# Altium PCB TIVA_1.PcbDoc
Units mm, origin at the board's own origin, x right, y up, seen from the top; angles counter-clockwise.
Board outline 37 x 30 mm, 2 copper layers (Top Layer, Bottom Layer); 24 components, 19 nets, 111 pads, 55 vias.
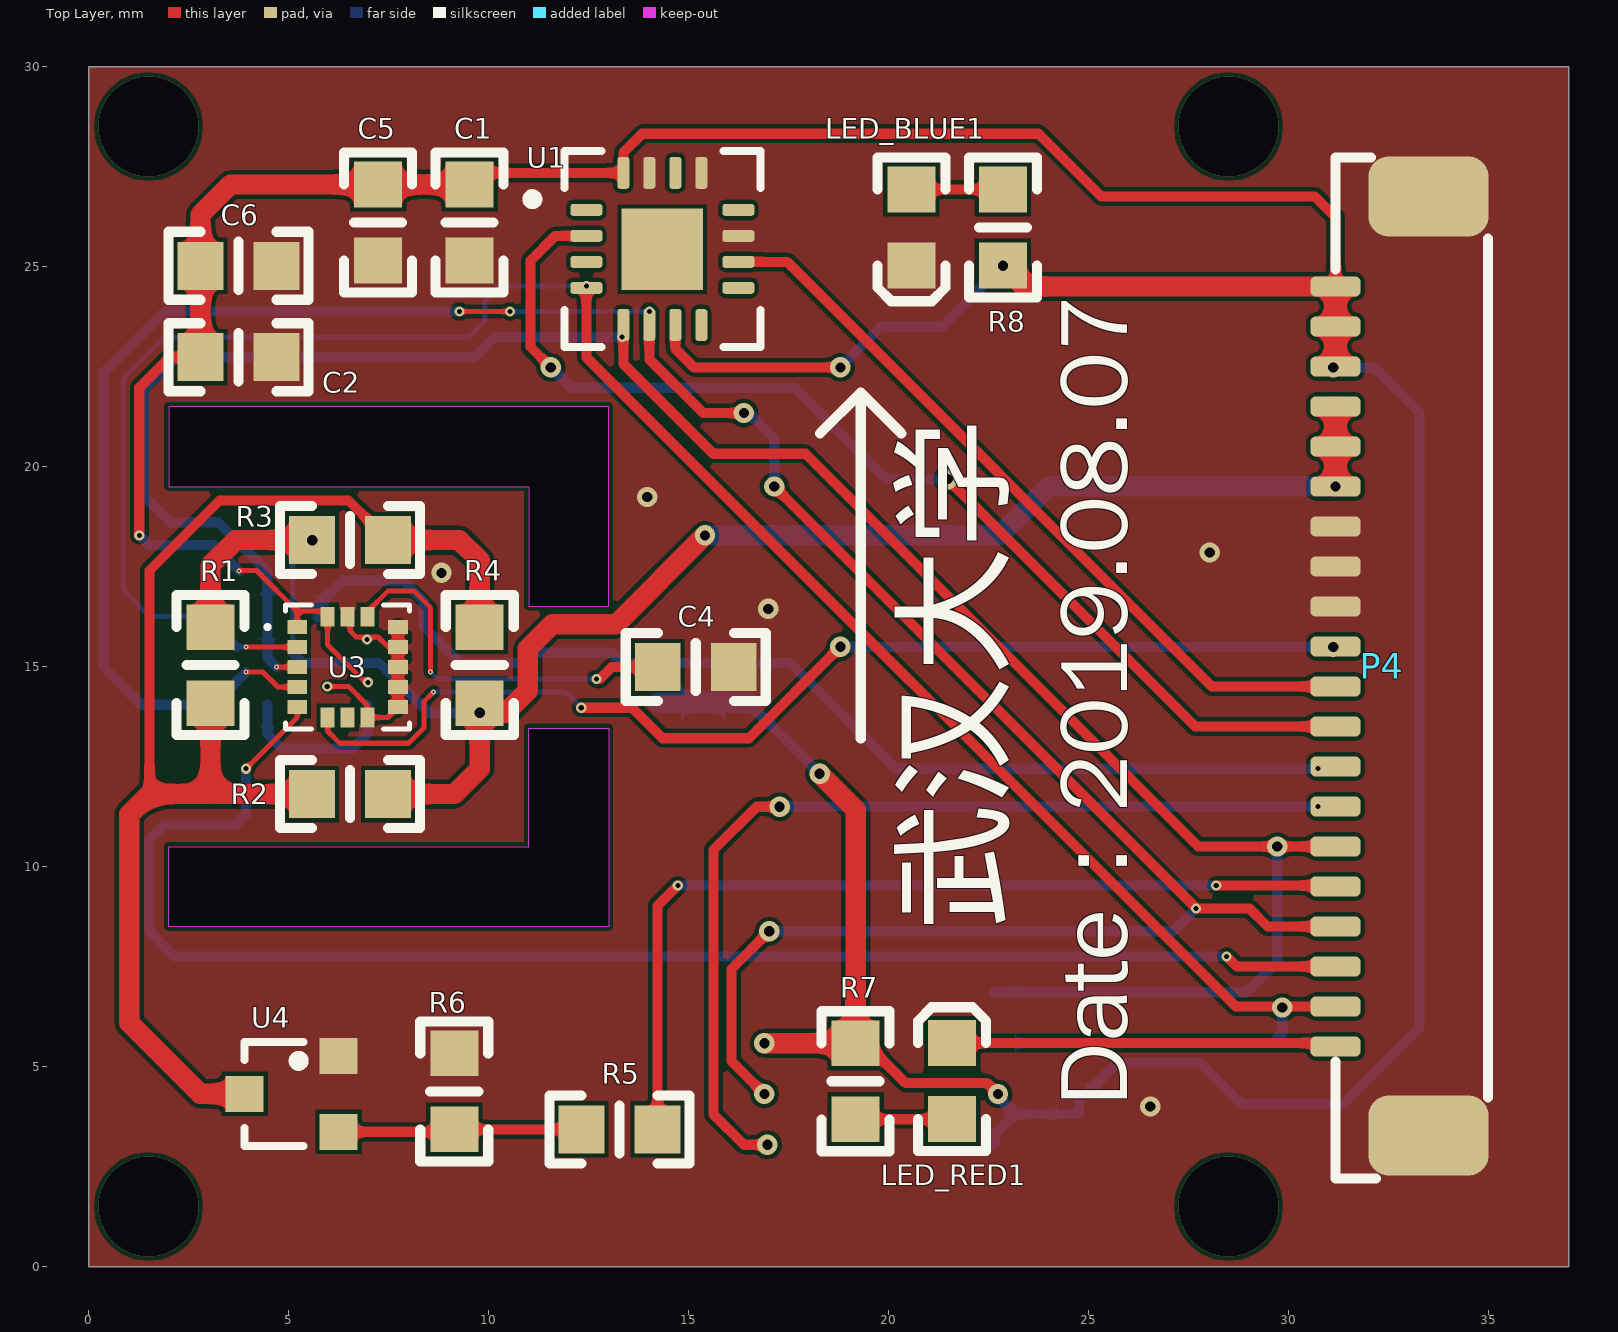
[diagram p0: Top Layer view]
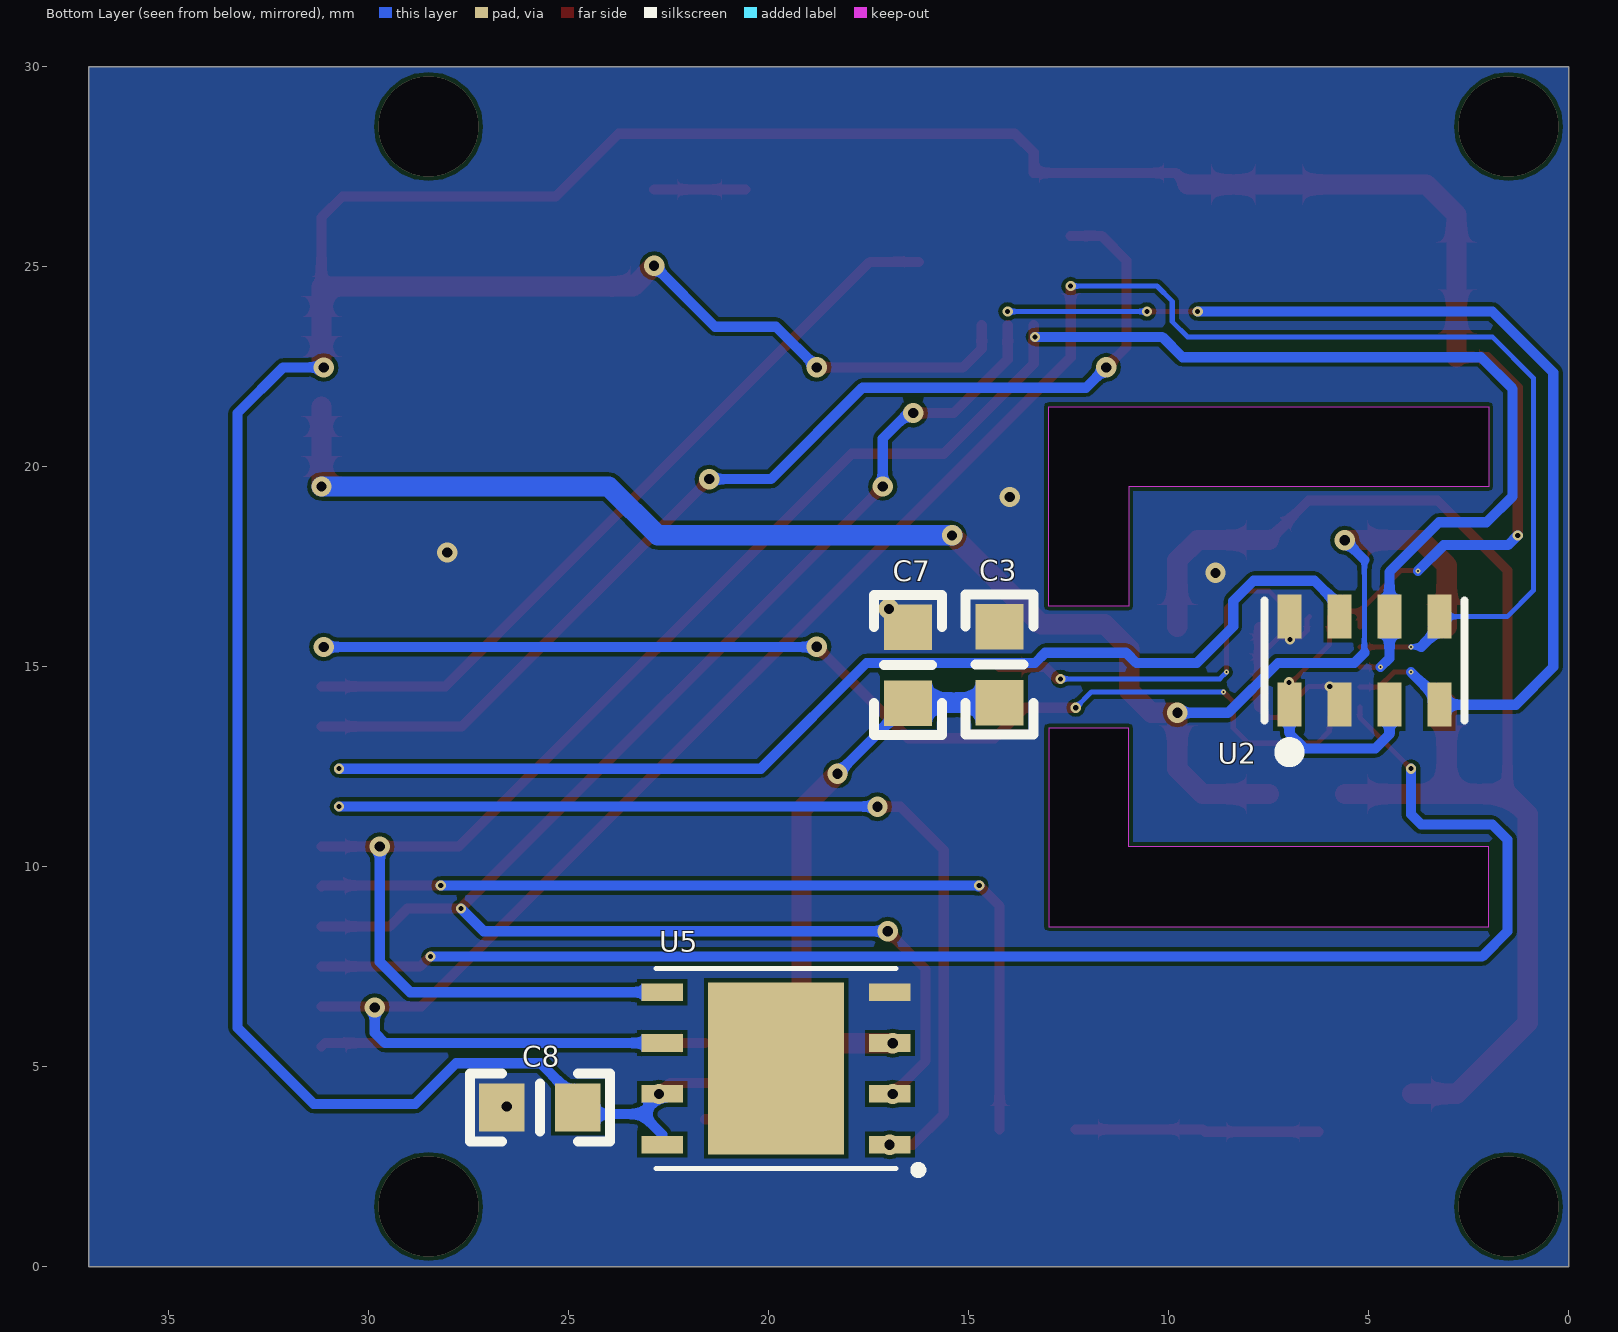
[diagram p1: Bottom Layer view, seen from below]

## Layer stack, top to bottom
Top Solder: solder mask 0.0102, Solder Resist, Dk 3.5
Top Layer: signal copper 0.0356
Dielectric 1: dielectric 0.32, FR-4, Dk 4.8
Bottom Layer: signal copper 0.0356
Bottom Solder: solder mask 0.0102, Solder Resist, Dk 3.5

## Board outline
0,0 37,0 37,30 0,30
cut-out: 2,21.5 2,19.5 11,19.5 11,16.51 13,16.51 13,21.5
cut-out: 11,13.462 13,13.462 13,8.5 2,8.5 2,10.5 11,10.5

## Design rules (kind name [scope] priority, off if disabled: settings)
Clearance [All] p1: gap=0.1 ignorepadtopadclearanceinfootprint=FALSE except(0: Arc-Hole Track-Hole SMDPad-Hole THPad-Hole Via-Hole Fill-Hole Poly-Hole Region-Hole Text-Hole)
HoleToHoleClearance [All] p1: gap=0.051 allowstackedmicrovias=TRUE
MinimumSolderMaskSliver [All] p1: minsoldermaskwidth=0.025
PlaneClearance [All] p1: clearance=0.1
PlaneConnect [All] p1: planeconnectstyle=Direct reliefexpansion=0.508 reliefentries=4 reliefconductorwidth=0.254 reliefairgap=0.254
PolygonConnect [All] p1: connectstyle=Direct reliefconductorwidth=0.254 reliefentries=4 polygonreliefangle="90 Angle" airgapwidth=0.254
RoutingVias [All] p1: holewidth=0.254 width=0.508 viastyle="Through Hole" minholewidth=0.025 minwidth=0.051 maxholewidth=0.711 maxwidth=1.27
SilkToSilkClearance [All] p1: silktosilkclearance=0
SilkToSolderMaskClearance [IsPad] p1: minsilkscreentomaskgap=0 clearancetoexposedcopper=TRUE
SolderMaskExpansion [All] p1: expansion=0.051
Width [All] p1: maxlimit=0.762 minlimit=0.127 preferedwidth=0.254 minimp=50.000000 maximp=50.000000 favimp=50.000000
24 further rules are at their usual default settings.

## Components (designator, comment, footprint, x,y, rotation, side; value= is the part's Value field where it differs from the comment)
C1 "0.1u" C_0805 9.525,27.051 r270 top
C2 "0.1u" C_0805 2.799,22.733 r0 top
C3 "0.1u" C_0805 14.224,15.997 r270 bottom
C4 "0.1u" C_0805 14.229,14.986 r0 top
C5 "10u" C_0805 7.239,27.051 r270 top
C6 "10u" C_0805 2.799,25.019 r0 top
C7 "10u" C_0805 16.51,15.986 r270 bottom
C8 "1u(4.7u)" C_0805 24.765,3.978 r0 bottom
LED_BLUE1 "LED_0805" LED0805 20.574,26.926 r270 top
LED_RED1 "LED_0805" LED0805 21.59,3.688 r90 top
P4 "FPC_20P" FPC1.0_20P 31.175,5.5 r90 top
R1 "51" R_0805 3.048,14.086 r90 top
R2 "51" R_0805 5.588,11.811 r0 top
R3 "51" R_0805 7.488,18.161 r180 top
R4 "51" R_0805 9.779,15.986 r270 top
R5 "1k" R_0805 12.324,3.429 r0 top
R6 "10k" R_0805 9.144,5.329 r270 top
R7 "1k" R_0805 19.177,5.583 r270 top
R8 "1k" R_0805 22.86,25.026 r90 top
U1 "AK8975" QFN16(4*4) 14.346,25.441 r0 top
U2 "SPL06-001" QFN8(2*4F) 5.61,15.146 r90 bottom
U3 "ICM-20602" QFN16(3+5) 6.477,14.986 r0 top
U4 "SI2310" SOT_23 5.207,4.445 r180 top
U5 "W25Q32FVZPIG" WSON(6*5mm) 19.812,4.953 r0 bottom

## Footprints (in the part's own frame and the unit in brackets; to place one, negate y for a bottom-side part, rotate by r counter-clockwise, add the part's x,y. Pads: shape width x height; smd on the part's side, far side on the other; paste and mask are expansions set on the pad)
C_0805 [mm]
  rect 1.14x1.2 smd: 1(0,0) 2(1.9,0)
  silkscreen extent -0.8,-0.85 2.7,0.85
FPC1.0_20P [mm]
  rrect50% 0.5x1.25 smd: 1(0,0) 2(1,0) 3(2,0) 4(3,0) 5(4,0) 6(5,0) 7(6,0) 8(7,0) 9(8,0) 10(9,0) 11(10,0) 12(11,0) 13(12,0) 14(13,0) 15(14,0) 16(15,0) 17(16,0) 18(17,0) 19(18,0) 20(19,0)
  rrect50% 2x3 smd: 21(-2.225,-2.325) 22(21.25,-2.325)
  silkscreen extent -3.3,-3.81 22.22,0
LED0805 [mm]
  rect 1.14x1.2 smd: 1(0,0) 2(1.9,0)
  silkscreen extent -0.8,-0.85 2.79,0.85
QFN8(2*4F) [mm]
  rect 1.1x0.6 smd: 1(1.1,1.367) 2(1.1,0.117) 3(1.1,-1.133) 4(1.1,-2.383) 5(-1.1,-2.383) 6(-1.1,-1.133) 7(-1.1,0.117) 8(-1.1,1.367)
  silkscreen extent -2.41,-3.01 1.5,1.99, body extent -1.55,-3.01 1.55,1.99, height 1.01
QFN16(3+5) [mm]
  rect 0.49x0.35 smd: 1(-1.26,1) 2(-1.26,0.5) 3(-1.26,0) 4(-1.26,-0.5) 5(-1.26,-1) 9(1.26,-1) 10(1.26,-0.5) 11(1.26,0) 12(1.26,0.5) 13(1.26,1)
  rect 0.35x0.49 smd: 6(-0.5,-1.26) 7(0,-1.26) 8(0.5,-1.26) 14(0.5,1.26) 15(0,1.26) 16(-0.5,1.26)
  silkscreen extent -2.05,-1.55 1.55,1.55
QFN16(4*4) [mm]
  rrect50% 0.8x0.3 smd: 1(-1.9,0.975) 2(-1.9,0.325) 3(-1.9,-0.325) 4(-1.9,-0.975) 9(1.9,-0.975) 10(1.9,-0.325) 11(1.9,0.325) 12(1.9,0.975)
  rrect50% 0.3x0.8 smd: 5(-0.975,-1.9) 6(-0.325,-1.9) 7(0.325,-1.9) 8(0.975,-1.905) 13(0.975,1.9) 14(0.325,1.9) 15(-0.325,1.9) 16(-0.975,1.9)
  rect 2.032x2.032 smd: 25(0,-0.008)
  silkscreen extent -3.37,-2.46 2.45,2.44, body extent -2,-2.02 2,1.98, height 1
R_0805 [mm]
  rect 1.14x1.2 smd: 1(0,0) 2(1.9,0)
  silkscreen extent -0.8,-0.85 2.7,0.85
SOT_23 [mm]
  rect 0.95x0.9 smd: 1(-1.048,1.077) 2(-1.048,-0.823) 3(1.302,0.127)
  silkscreen extent -0.17,-1.17 1.3,1.43, body extent -1.2,-1.37 1.3,1.63, height 1.12
WSON(6*5mm) [mm]
  rect 1.04x0.44 smd: 1(-2.845,1.905) 2(-2.845,0.635) 3(-2.845,-0.635) 4(-2.845,-1.905) 5(2.845,-1.905) 6(2.845,-0.635) 7(2.845,0.635) 8(2.845,1.905)
  rect 3.4x4.3 smd: 9(0,0)
  silkscreen extent -3.66,-2.5 3,2.64

## Part data
C1 C2 C3 C4 C5 C6 C7 C8: library part C_0805
R1 R2 R3 R4 R5 R6 R7 R8: library part R_0805
U4: library part SI2310_2

## Via types
v1: diameter 0.508, hole 0.254, Top Layer to Bottom Layer, 27 vias
v2: diameter 0.254, hole 0.127, Top Layer to Bottom Layer, 18 vias
v3: diameter 0.127, hole 0.051, Top Layer to Bottom Layer, 6 vias
v4: diameter 2.5, hole 2.5, Top Layer to Bottom Layer, 4 vias

## Nets (pads, with @x,y where several pads share a name; then routed paths per layer and width w, separated by ;. In a path a pad name is that pad's centre, name@x,y a point inside that pad or via, vN(x,y) a via of type N, cw(c..) or ccw(c..) an arc to the next point about the centre after c; other vN are vias at no path point)
3.3V: C1.1 C2.1 C3.2 C5.1 C6.1 C7.2 C8.1 P4.18 P4.19 P4.20 R7.1 R8.1 U1.7 U1.16 U2.6 U2.8 U3.1 U3.16 U5.3 U5.7 U5.8 | length 124.1
  Top Layer w0.127: v3@3.757,17.399 4.201,17.399 5.217,16.383 ; U3.1 5.217,16.383 ; v2(6.985,14.605) 6.919,14.605 5.977,15.547 U3.16 5.84,16.383 5.217,16.383
  Top Layer w0.254: v2(1.27,18.279) 1.27,21.971 2.032,22.733 C2.1 ; C1.1 9.815,27.341 U1.16 13.371,27.849 13.843,28.321 23.749,28.321 25.318,26.752 30.652,26.752 31.175,26.229 P4.20 ; U1.7 14.671,22.942 15.134,22.479 v1(18.796,22.479) ; R7.1 19.436,5.583 20.434,4.585 22.466,4.585 v1@22.733,4.318
  Top Layer w0.508: C2.1 C6.1 2.799,26.294 3.556,27.051 C5.1 C1.1 ; v1(16.896,5.583) R7.1 19.177,11.419 v1(18.277,12.319) ; R8.1 23.386,24.5 P4.20 P4.19 P4.18
  Bottom Layer w0.254: v2(1.27,18.279) 1.515,18.034 3.122,18.034 v3(3.767,17.39) ; U2.6 4.477,13.303 4.826,12.954 6.604,12.954 6.977,13.327 U2.8 ; C7.2 v1(18.277,12.319) ; v1(18.796,22.479) 19.812,23.495 21.336,23.495 v1(22.86,25.019) ; U5.8 22.657,3.302 23.165,3.81 ; U5.7 23.165,3.81 ; v1@31.115,22.479 32.131,22.479 33.274,21.336 33.274,5.969 31.369,4.064 28.829,4.064 27.813,5.08 25.699,5.08 24.765,4.146 24.765,3.81 23.165,3.81
  Bottom Layer w0.508: C3.2 16.499,14.097 C7.2
  other v1: 22.738,4.313 31.12,22.474
5V: P4.15 P4.16 P4.17 R1.2 R2.2 R3.2 R4.2 | length 43
  Top Layer w0.508: R1.2 3.048,17.526 3.683,18.161 R3.2 ; R2.2 9.144,11.811 9.779,12.446 v1(9.779,13.843) 10.43,13.843 10.983,14.396 10.983,15.445 11.594,16.056 13.188,16.056 v1(15.411,18.279) ; v1(31.175,19.5) P4.16 P4.17
  Bottom Layer w0.127: 5.102,15.345 5.102,17.665
  Bottom Layer w0.254: 5.102,15.345 5.358,15.089 7.263,15.089 8.509,13.843 v1(9.779,13.843) ; 5.102,17.665 v1(5.593,18.156)
  Bottom Layer w0.508: v1(15.411,18.279) 22.775,18.279 23.996,19.5 v1(31.175,19.5)
DRDY: P4.10 U1.10 | length 19.3
  Top Layer w0.254: U1.10 17.466,25.116 28.082,14.5 P4.10
GND: C1.2 C2.2 C3.1 C4.2 C5.2 C6.2 C7.1 C8.2 LED_BLUE1.2 P4.12 P4.13 P4.14 P4.21 P4.22 R6.1 U1.11 U1.13 U1.15 U2.1 U2.7 U3.8 U3.9 U3.10 U3.11 U3.12 U3.13 U3.15 U4.2 U5.4 | length 6.1
  Top Layer w0.127: v2(5.969,14.5) 6.503,14.5 6.977,14.026 U3.8 7.477,13.726 U3.9 ; U3.15 6.538,16.185 6.538,15.892 6.693,15.737 7.239,15.737 7.491,15.486 U3.12
  Top Layer w0.254: U3.9 U3.10 U3.11 U3.12 U3.13
  other v1: 26.543,4 16.991,16.442 8.825,17.341 28.03,17.849 13.97,19.239
  other v2: 6.966,15.672
LED_OB: LED_RED1.2 P4.1 | length 9.6
  Top Layer w0.254: LED_RED1.2 31.087,5.588 P4.1
MPU_INT: P4.11 U3.6 | length 27.9
  Top Layer w0.127: U3.6 5.977,13.386 6.282,13.081 8.001,13.081 8.382,13.462 8.382,14.116 v3(8.627,14.36)
  Top Layer w0.254: v2(12.319,13.97) 13.589,13.97 14.351,13.208 16.51,13.208 v1(18.796,15.494)
  Bottom Layer w0.127: v3(8.627,14.36) 11.929,14.36 v2(12.319,13.97)
  Bottom Layer w0.254: v1@18.796,15.489 v1(31.12,15.489)
NetC4_1: C4.1 U3.14 | length 9.6
  Top Layer w0.127: U3.14 6.977,16.375 7.493,16.891 8.128,16.891 8.553,16.466 v3(8.553,14.859)
  Top Layer w0.254: v2(12.7,14.692) 12.787,14.692 13.081,14.986 C4.1
  Bottom Layer w0.127: v3(8.553,14.859) 8.72,14.692 v2(12.7,14.692)
NetLED_BLUE1_1: LED_BLUE1.1 R8.2 | length 2.3
  Top Layer w0.254: LED_BLUE1.1 R8.2
NetLED_RED1_1: LED_RED1.1 R7.2 | length 2.4
  Top Layer w0.254: R7.2 21.585,3.683 LED_RED1.1
NetR1_1: R1.1 R2.1 R3.1 R4.1 U4.3 | length 32.7
  Top Layer w0.254: 1.524,11.811 1.524,17.399 3.274,19.149 6.5,19.149 R3.1
  Top Layer w0.508: R1.1 3.048,11.811 ; U4.3 2.794,4.318 1.016,6.096 1.016,11.303 1.524,11.811 3.048,11.811 ; R2.1 3.048,11.811 ; R3.1 9.271,18.161 9.779,17.653 R4.1
NetR5_1: R5.1 R6.2 U4.1 | length 6.1
  Top Layer w0.254: U4.1 9.083,3.368 R6.2 R5.1
PWM_Heat: P4.5 R5.2 | length 22.8
  Top Layer w0.254: R5.2 14.224,9.017 v2(14.732,9.525) ; v2(28.194,9.525) 31.15,9.525 P4.5
  Bottom Layer w0.254: v2(14.732,9.525) 14.757,9.5 14.782,9.525 v2(28.194,9.525)
SPI_CS_8975: P4.9 U1.2 | length 27.9
  Top Layer w0.254: v1(11.557,22.479) 11.049,22.987 11.049,25.146 11.669,25.766 U1.2 ; v1(21.483,19.685) 27.668,13.5 P4.9
  Bottom Layer w0.254: v1(11.557,22.479) 12.065,21.971 17.653,21.971 19.939,19.685 v1(21.483,19.685)
SPI_CS_Flash: P4.7 U5.1 | length 23.8
  Top Layer w0.254: v1(16.972,3.043) 16.388,3.043 15.621,3.81 15.621,10.414 16.702,11.495 v1(17.277,11.495)
  Bottom Layer w0.254: v1@17.272,11.5 v2(30.734,11.5)
SPI_CS_ICM: P4.3 U3.5 | length 38.2
  Top Layer w0.127: v2(3.937,12.446) 5.217,13.726 U3.5
  Top Layer w0.254: v2(28.448,7.747) 28.462,7.747 28.709,7.5 P4.3
  Bottom Layer w0.254: v2(3.937,12.446) 3.937,11.303 3.683,11.049 1.905,11.049 1.524,10.668 1.524,8.382 2.159,7.747 v2(28.448,7.747)
SPI_CS_SPL: P4.8 U2.2 | length 28.1
  Bottom Layer w0.254: U2.2 5.727,16.522 6.35,17.145 7.874,17.145 8.382,16.637 8.382,16.002 9.295,15.089 10.803,15.089 11.059,15.345 13.081,15.345 13.337,15.089 17.55,15.089 20.193,12.446 v2(30.734,12.446)
SPI_MISO: P4.4 U1.6 U2.5 U3.4 U5.2 | length 67.7
  Top Layer w0.127: v3(3.937,14.859) 4.364,14.859 4.737,14.486 U3.4 ; v2(9.271,23.876) v2(10.541,23.876)
  Top Layer w0.254: U1.6 14.021,22.682 15.367,21.336 v1(16.383,21.336) ; v1(16.896,4.313) 16.075,5.134 16.075,7.439 v1(17.018,8.382) ; v1(17.145,19.5) v2(27.691,8.954) 29.019,8.954 29.473,8.5 P4.4
  Bottom Layer w0.127: U2.5 U2.5@3.227,14.149 ; v2(10.541,23.876) v2(14.021,23.876)
  Bottom Layer w0.254: U2.5 1.321,14.046 0.381,14.986 0.381,22.352 1.905,23.876 v2(9.271,23.876) ; U2.5@3.227,14.149 v3(3.937,14.859) ; v1(16.383,21.336) 16.51,21.336 17.145,20.701 v1(17.145,19.5) ; v1(17.018,8.382) 27.119,8.382 v2(27.691,8.954)
SPI_MOSI: P4.6 U1.5 U2.3 U3.3 U5.5 | length 56
  Top Layer w0.127: v3(4.699,14.986) U3.3
  Top Layer w0.254: U1.5 13.371,22.57 15.621,20.32 17.923,20.32 27.743,10.5 v1(29.718,10.5) P4.6
  Bottom Layer w0.254: v3(4.699,14.986) 4.477,15.208 U2.3 4.477,17.367 3.238,18.605 2.05,18.605 1.397,19.258 1.397,21.94 2.19,22.733 9.652,22.733 10.16,23.241 v2(13.335,23.241) ; U5.5 28.956,6.858 29.718,7.62 v1(29.718,10.5)
SPI_SCK: P4.2 U1.4 U2.4 U3.2 U5.6 | length 58
  Top Layer w0.127: v3(3.937,15.486) U3.2
  Top Layer w0.254: U1.4 12.446,22.733 28.679,6.5 P4.2
  Bottom Layer w0.127: U2.4 1.534,16.246 0.88,16.9 0.88,22.216 1.905,23.241 9.525,23.241 9.906,23.622 9.906,24.13 10.287,24.511 v2(12.446,24.511) ; 3.683,15.494 v3@3.937,15.494
  Bottom Layer w0.254: U2.4@3.227,15.95 3.683,15.494 ; U5.6 29.591,5.588 29.845,5.842 v1(29.845,6.477)
pads on no net: U1.1 U1.3 U1.8 U1.9 U1.12 U1.14 U1.25 U3.7 U5.9
copper on no net:
  other v4: 1.5,1.5 28.5,1.5 1.5,28.5 28.5,28.5

## Polygon pours and split planes (outlines as drawn)
GND on Bottom Layer "GND_L02_P041" (solid, remove dead copper, pour order 41): 0,0 37,0 37,30 0,30
GND on Top Layer "GND_L01_P040" (solid, remove dead copper, pour order 40): 0,0 37,0 37,30 0,30

## Silkscreen, mask and mechanical layers (free items; w line width, h text height)
Top Overlay:
  lines w0.254: 18.288,20.828 19.304,21.844 ; 19.304,13.208 19.304,21.844 ; 20.32,20.828 19.304,21.844
  text "武汉大学" at 23.495,8.382 h4 r90
  text "Date：2019.08.07" at 26.543,4 h3 r90
Bottom Solder:
  lines w0.254: 11,13.462 11,10.5 2,10.5 2,8.5 13,8.5 13,13.462 ; 11,13.5 13,13.5 ; 11,16.5 13,16.5 ; 11,16.51 11,19.5 2,19.5 2,21.5 13,21.5 13,16.51 ; 0,0 37,0 37,30 0,30 0,0